# KiCad board RV523_CellTestBoard.final.kicad_pcb (continued)
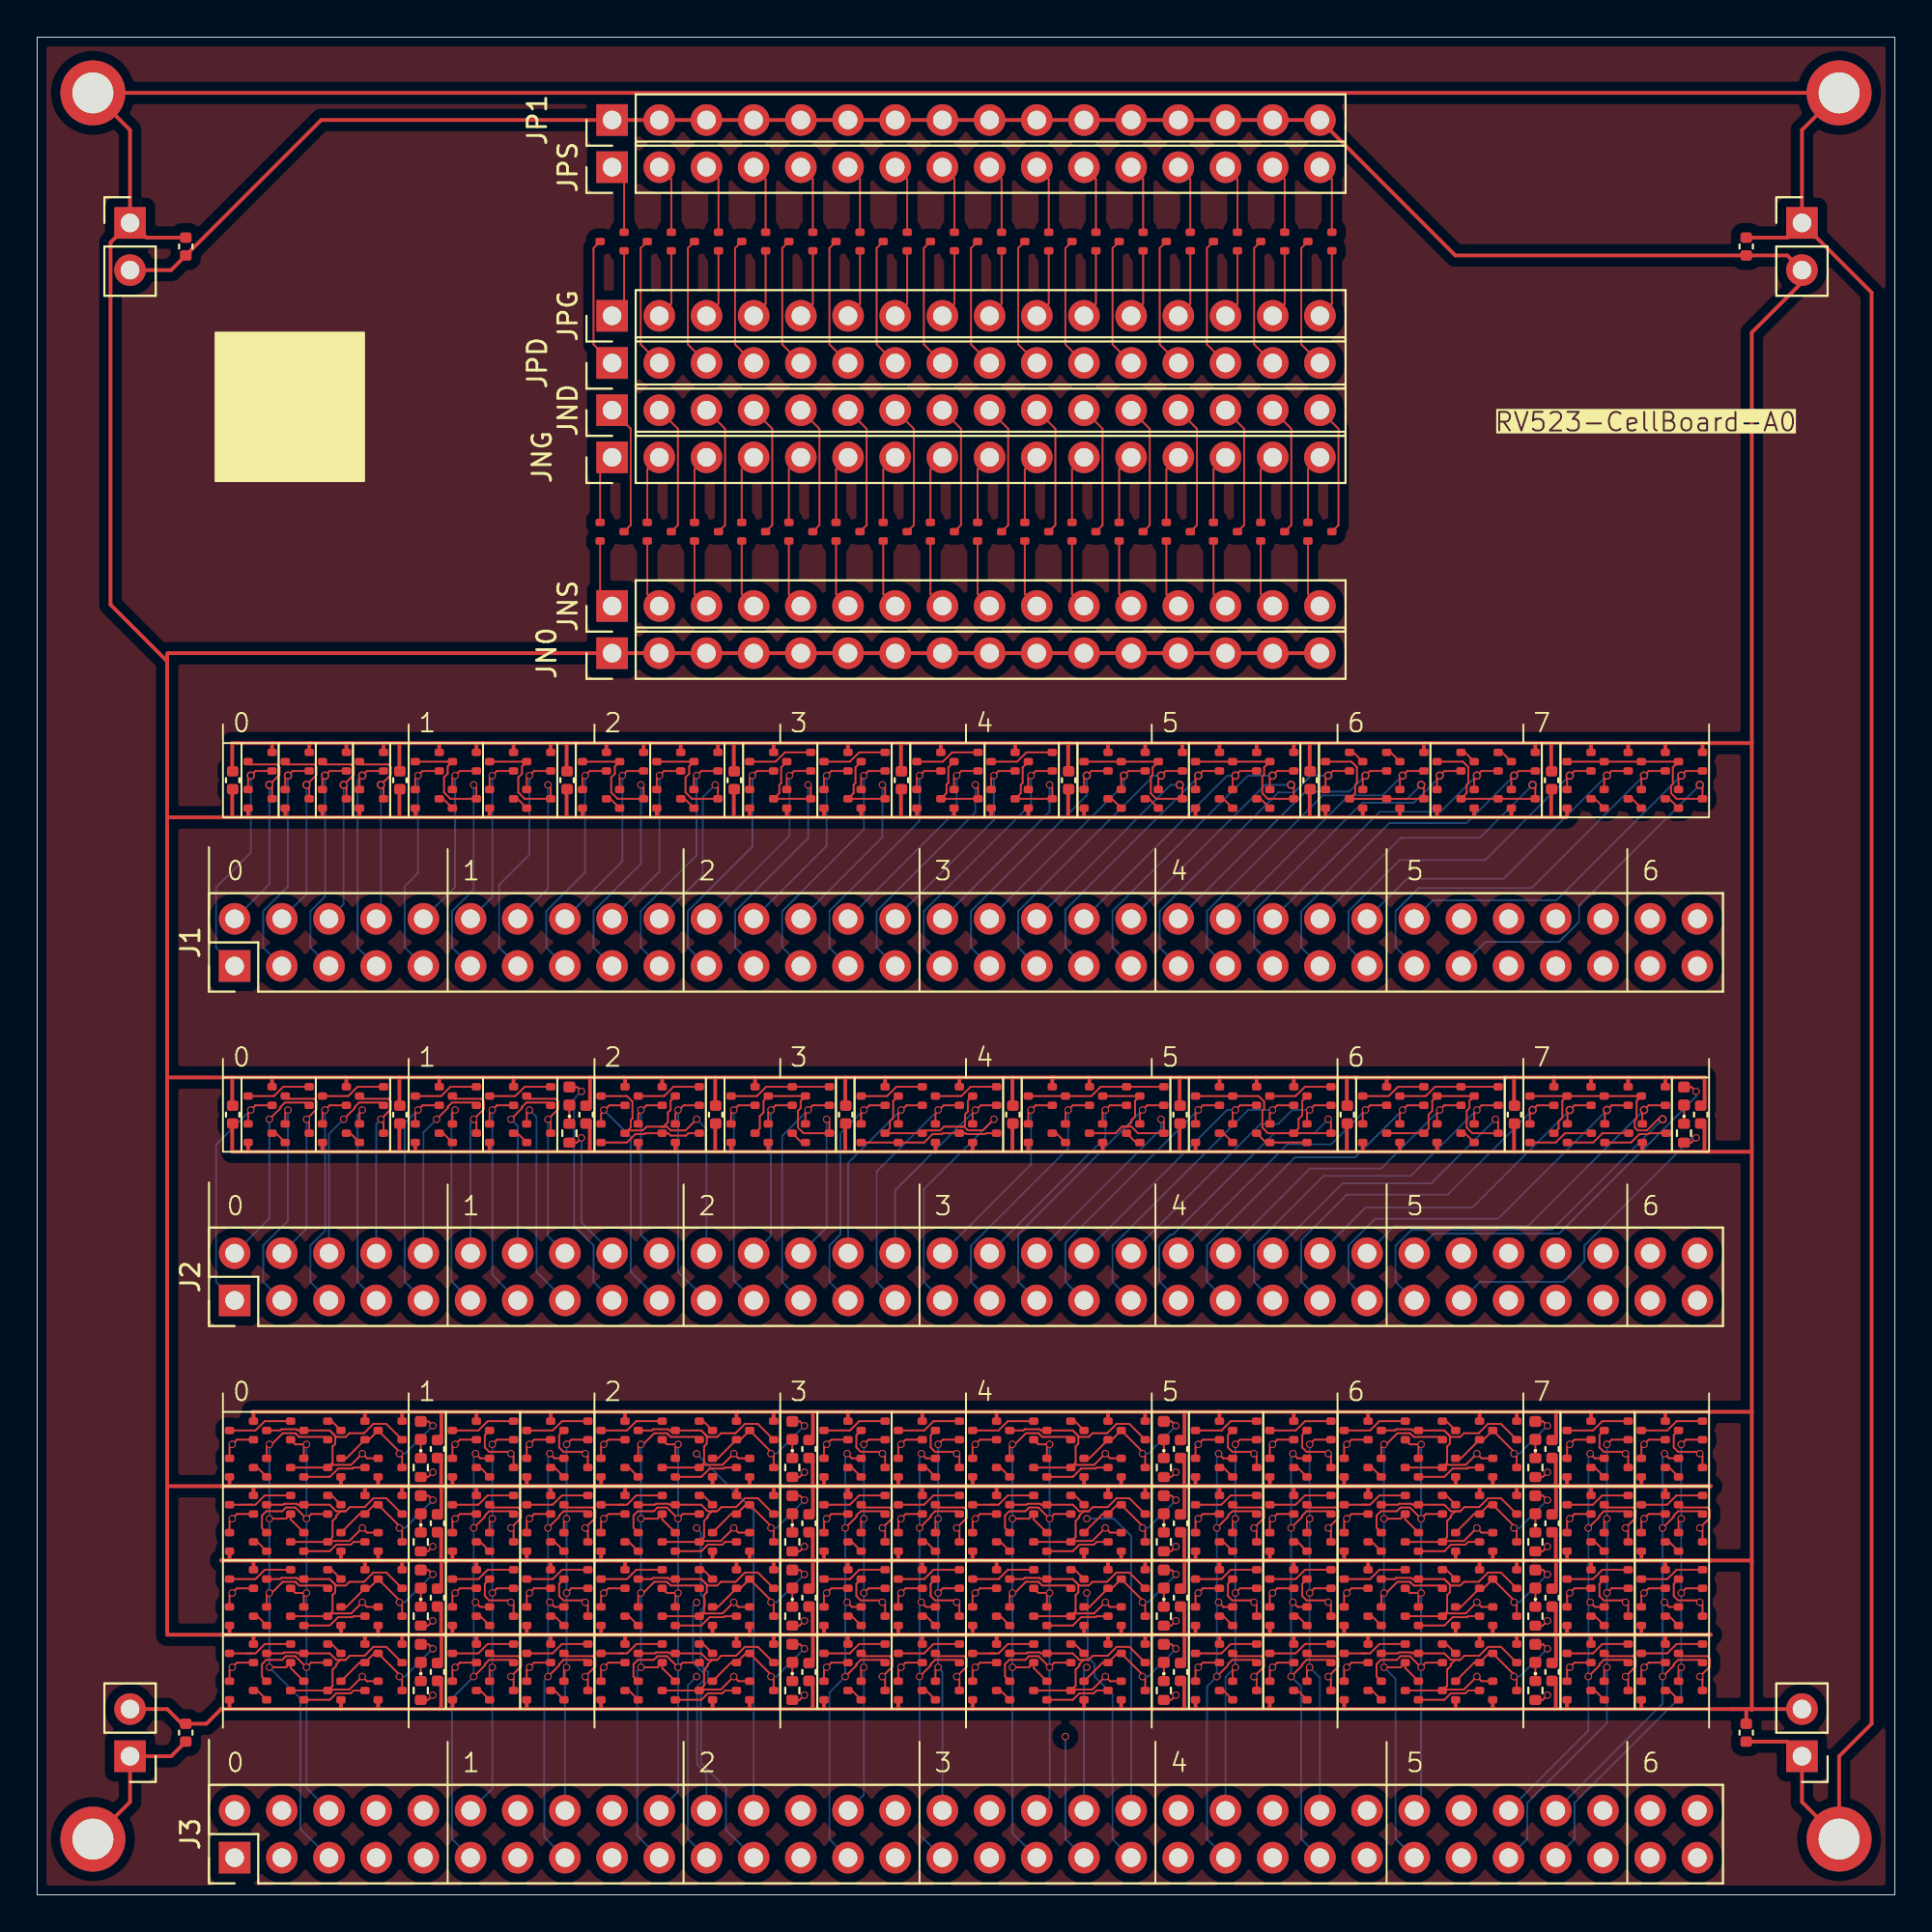
[diagram p0: board, top side]
## Nets (continued)
J3pins.3: genblk2[0].genblk1[2].L.NOT1.N1.1 genblk2[0].genblk1[2].L.NOT1.P1.1 genblk2[1].genblk1[2].L.NOT1.N1.1 genblk2[1].genblk1[2].L.NOT1.P1.1 genblk2[2].genblk1[2].L.NOT1.N1.1 genblk2[2].genblk1[2].L.NOT1.P1.1 genblk2[3].genblk1[2].L.NOT1.N1.1 genblk2[3].genblk1[2].L.NOT1.P1.1 J3.3
J3pins.4: genblk2[0].genblk1[3].L.NOT1.N1.1 genblk2[0].genblk1[3].L.NOT1.P1.1 genblk2[1].genblk1[3].L.NOT1.N1.1 genblk2[1].genblk1[3].L.NOT1.P1.1 genblk2[2].genblk1[3].L.NOT1.N1.1 genblk2[2].genblk1[3].L.NOT1.P1.1 genblk2[3].genblk1[3].L.NOT1.N1.1 genblk2[3].genblk1[3].L.NOT1.P1.1 J3.4
J3pins.5: genblk2[0].genblk1[0].L.NOT1.N2.1 genblk2[0].genblk1[0].L.NOT3.P2.1 genblk2[0].genblk1[1].L.NOT1.N2.1 genblk2[0].genblk1[1].L.NOT3.P2.1 genblk2[0].genblk1[2].L.NOT1.N2.1 genblk2[0].genblk1[2].L.NOT3.P2.1 genblk2[0].genblk1[3].L.NOT1.N2.1 genblk2[0].genblk1[3].L.NOT3.P2.1 J3.5
J3pins.6: genblk2[0].genblk1[0].L.NOT1.P2.1 genblk2[0].genblk1[0].L.NOT3.N2.1 genblk2[0].genblk1[1].L.NOT1.P2.1 genblk2[0].genblk1[1].L.NOT3.N2.1 genblk2[0].genblk1[2].L.NOT1.P2.1 genblk2[0].genblk1[2].L.NOT3.N2.1 genblk2[0].genblk1[3].L.NOT1.P2.1 genblk2[0].genblk1[3].L.NOT3.N2.1 J3.6
J3pins.7: J3.7
J3pins.8: J3.8
J3pins.9: J3.9
J3pins.10: J3.10
J3pins.11: genblk2[0].genblk1[0].R1.N2.1 genblk2[0].genblk1[1].R1.N2.1 genblk2[0].genblk1[2].R1.N2.1 genblk2[0].genblk1[3].R1.N2.1 J3.11
J3pins.12: genblk2[0].genblk1[0].R1.P2.1 genblk2[0].genblk1[1].R1.P2.1 genblk2[0].genblk1[2].R1.P2.1 genblk2[0].genblk1[3].R1.P2.1 J3.12
J3pins.13: J3.13
J3pins.14: J3.14
J3pins.15: genblk2[0].genblk1[0].R2.N2.1 genblk2[0].genblk1[1].R2.N2.1 genblk2[0].genblk1[2].R2.N2.1 genblk2[0].genblk1[3].R2.N2.1 J3.15
J3pins.16: genblk2[0].genblk1[0].R2.P2.1 genblk2[0].genblk1[1].R2.P2.1 genblk2[0].genblk1[2].R2.P2.1 genblk2[0].genblk1[3].R2.P2.1 J3.16
J3pins.17: J3.17
J3pins.18: J3.18
J3pins.19: genblk2[1].genblk1[0].L.NOT1.N2.1 genblk2[1].genblk1[0].L.NOT3.P2.1 genblk2[1].genblk1[1].L.NOT1.N2.1 genblk2[1].genblk1[1].L.NOT3.P2.1 genblk2[1].genblk1[2].L.NOT1.N2.1 genblk2[1].genblk1[2].L.NOT3.P2.1 genblk2[1].genblk1[3].L.NOT1.N2.1 genblk2[1].genblk1[3].L.NOT3.P2.1 J3.19
J3pins.20: genblk2[1].genblk1[0].L.NOT1.P2.1 genblk2[1].genblk1[0].L.NOT3.N2.1 genblk2[1].genblk1[1].L.NOT1.P2.1 genblk2[1].genblk1[1].L.NOT3.N2.1 genblk2[1].genblk1[2].L.NOT1.P2.1 genblk2[1].genblk1[2].L.NOT3.N2.1 genblk2[1].genblk1[3].L.NOT1.P2.1 genblk2[1].genblk1[3].L.NOT3.N2.1 J3.20
J3pins.25: J3.25
J3pins.26: J3.26
J3pins.27: genblk2[1].genblk1[0].R1.N2.1 genblk2[1].genblk1[1].R1.N2.1 genblk2[1].genblk1[2].R1.N2.1 genblk2[1].genblk1[3].R1.N2.1 J3.27
J3pins.28: genblk2[1].genblk1[0].R1.P2.1 genblk2[1].genblk1[1].R1.P2.1 genblk2[1].genblk1[2].R1.P2.1 genblk2[1].genblk1[3].R1.P2.1 J3.28
J3pins.29: J3.29
J3pins.30: J3.30
J3pins.31: genblk2[1].genblk1[0].R2.N2.1 genblk2[1].genblk1[1].R2.N2.1 genblk2[1].genblk1[2].R2.N2.1 genblk2[1].genblk1[3].R2.N2.1 J3.31
J3pins.32: genblk2[1].genblk1[0].R2.P2.1 genblk2[1].genblk1[1].R2.P2.1 genblk2[1].genblk1[2].R2.P2.1 genblk2[1].genblk1[3].R2.P2.1 J3.32
J3pins.33: J3.33
J3pins.34: J3.34
J3pins.35: genblk2[2].genblk1[0].L.NOT1.N2.1 genblk2[2].genblk1[0].L.NOT3.P2.1 genblk2[2].genblk1[1].L.NOT1.N2.1 genblk2[2].genblk1[1].L.NOT3.P2.1 genblk2[2].genblk1[2].L.NOT1.N2.1 genblk2[2].genblk1[2].L.NOT3.P2.1 genblk2[2].genblk1[3].L.NOT1.N2.1 genblk2[2].genblk1[3].L.NOT3.P2.1 J3.35
J3pins.36: genblk2[2].genblk1[0].L.NOT1.P2.1 genblk2[2].genblk1[0].L.NOT3.N2.1 genblk2[2].genblk1[1].L.NOT1.P2.1 genblk2[2].genblk1[1].L.NOT3.N2.1 genblk2[2].genblk1[2].L.NOT1.P2.1 genblk2[2].genblk1[2].L.NOT3.N2.1 genblk2[2].genblk1[3].L.NOT1.P2.1 genblk2[2].genblk1[3].L.NOT3.N2.1 J3.36
J3pins.41: J3.41
J3pins.42: J3.42
J3pins.43: genblk2[2].genblk1[0].R1.N2.1 genblk2[2].genblk1[1].R1.N2.1 genblk2[2].genblk1[2].R1.N2.1 genblk2[2].genblk1[3].R1.N2.1 J3.43
J3pins.44: genblk2[2].genblk1[0].R1.P2.1 genblk2[2].genblk1[1].R1.P2.1 genblk2[2].genblk1[2].R1.P2.1 genblk2[2].genblk1[3].R1.P2.1 J3.44
J3pins.45: J3.45
J3pins.46: J3.46
J3pins.47: genblk2[2].genblk1[0].R2.N2.1 genblk2[2].genblk1[1].R2.N2.1 genblk2[2].genblk1[2].R2.N2.1 genblk2[2].genblk1[3].R2.N2.1 J3.47
J3pins.48: genblk2[2].genblk1[0].R2.P2.1 genblk2[2].genblk1[1].R2.P2.1 genblk2[2].genblk1[2].R2.P2.1 genblk2[2].genblk1[3].R2.P2.1 J3.48
J3pins.49: J3.49
J3pins.50: J3.50
J3pins.51: genblk2[3].genblk1[0].L.NOT1.N2.1 genblk2[3].genblk1[0].L.NOT3.P2.1 genblk2[3].genblk1[1].L.NOT1.N2.1 genblk2[3].genblk1[1].L.NOT3.P2.1 genblk2[3].genblk1[2].L.NOT1.N2.1 genblk2[3].genblk1[2].L.NOT3.P2.1 genblk2[3].genblk1[3].L.NOT1.N2.1 genblk2[3].genblk1[3].L.NOT3.P2.1 J3.51
J3pins.52: genblk2[3].genblk1[0].L.NOT1.P2.1 genblk2[3].genblk1[0].L.NOT3.N2.1 genblk2[3].genblk1[1].L.NOT1.P2.1 genblk2[3].genblk1[1].L.NOT3.N2.1 genblk2[3].genblk1[2].L.NOT1.P2.1 genblk2[3].genblk1[2].L.NOT3.N2.1 genblk2[3].genblk1[3].L.NOT1.P2.1 genblk2[3].genblk1[3].L.NOT3.N2.1 J3.52
J3pins.53: J3.53
J3pins.54: J3.54
J3pins.55: genblk2[3].genblk1[0].R1.P2.1 genblk2[3].genblk1[1].R1.P2.1 genblk2[3].genblk1[2].R1.P2.1 genblk2[3].genblk1[3].R1.P2.1 J3.55
J3pins.56: genblk2[3].genblk1[0].R1.N2.1 genblk2[3].genblk1[1].R1.N2.1 genblk2[3].genblk1[2].R1.N2.1 genblk2[3].genblk1[3].R1.N2.1 J3.56
J3pins.57: genblk2[3].genblk1[0].R2.P2.1 genblk2[3].genblk1[1].R2.P2.1 genblk2[3].genblk1[2].R2.P2.1 genblk2[3].genblk1[3].R2.P2.1 J3.57
J3pins.58: genblk2[3].genblk1[0].R2.N2.1 genblk2[3].genblk1[1].R2.N2.1 genblk2[3].genblk1[2].R2.N2.1 genblk2[3].genblk1[3].R2.N2.1 J3.58
J3pins.59: J3.59
J3pins.60: J3.60
J3pins[21]: genblk2[0].genblk1[3].R1.N2.3 genblk2[0].genblk1[3].R1.P2.3 genblk2[1].genblk1[3].R1.N2.3 genblk2[1].genblk1[3].R1.P2.3 genblk2[2].genblk1[3].R1.N2.3 genblk2[2].genblk1[3].R1.P2.3 genblk2[3].genblk1[3].R1.N2.3 genblk2[3].genblk1[3].R1.P2.3 J3.21
J3pins[22]: genblk2[0].genblk1[2].R1.N2.3 genblk2[0].genblk1[2].R1.P2.3 genblk2[1].genblk1[2].R1.N2.3 genblk2[1].genblk1[2].R1.P2.3 genblk2[2].genblk1[2].R1.N2.3 genblk2[2].genblk1[2].R1.P2.3 genblk2[3].genblk1[2].R1.N2.3 genblk2[3].genblk1[2].R1.P2.3 J3.22
J3pins[23]: genblk2[0].genblk1[1].R1.N2.3 genblk2[0].genblk1[1].R1.P2.3 genblk2[1].genblk1[1].R1.N2.3 genblk2[1].genblk1[1].R1.P2.3 genblk2[2].genblk1[1].R1.N2.3 genblk2[2].genblk1[1].R1.P2.3 genblk2[3].genblk1[1].R1.N2.3 genblk2[3].genblk1[1].R1.P2.3 J3.23
J3pins[24]: genblk2[0].genblk1[0].R1.N2.3 genblk2[0].genblk1[0].R1.P2.3 genblk2[1].genblk1[0].R1.N2.3 genblk2[1].genblk1[0].R1.P2.3 genblk2[2].genblk1[0].R1.N2.3 genblk2[2].genblk1[0].R1.P2.3 genblk2[3].genblk1[0].R1.N2.3 genblk2[3].genblk1[0].R1.P2.3 J3.24
J3pins[37]: genblk2[0].genblk1[3].R2.N2.3 genblk2[0].genblk1[3].R2.P2.3 genblk2[1].genblk1[3].R2.N2.3 genblk2[1].genblk1[3].R2.P2.3 genblk2[2].genblk1[3].R2.N2.3 genblk2[2].genblk1[3].R2.P2.3 genblk2[3].genblk1[3].R2.N2.3 genblk2[3].genblk1[3].R2.P2.3 J3.37
J3pins[38]: genblk2[0].genblk1[2].R2.N2.3 genblk2[0].genblk1[2].R2.P2.3 genblk2[1].genblk1[2].R2.N2.3 genblk2[1].genblk1[2].R2.P2.3 genblk2[2].genblk1[2].R2.N2.3 genblk2[2].genblk1[2].R2.P2.3 genblk2[3].genblk1[2].R2.N2.3 genblk2[3].genblk1[2].R2.P2.3 J3.38
J3pins[39]: genblk2[0].genblk1[1].R2.N2.3 genblk2[0].genblk1[1].R2.P2.3 genblk2[1].genblk1[1].R2.N2.3 genblk2[1].genblk1[1].R2.P2.3 genblk2[2].genblk1[1].R2.N2.3 genblk2[2].genblk1[1].R2.P2.3 genblk2[3].genblk1[1].R2.N2.3 genblk2[3].genblk1[1].R2.P2.3 J3.39
J3pins[40]: genblk2[0].genblk1[0].R2.N2.3 genblk2[0].genblk1[0].R2.P2.3 genblk2[1].genblk1[0].R2.N2.3 genblk2[1].genblk1[0].R2.P2.3 genblk2[2].genblk1[0].R2.N2.3 genblk2[2].genblk1[0].R2.P2.3 genblk2[3].genblk1[0].R2.N2.3 genblk2[3].genblk1[0].R2.P2.3 J3.40
J3pins[61]: genblk2[0].genblk1[3].D.R.2 genblk2[1].genblk1[3].D.R.2 genblk2[2].genblk1[3].D.R.2 genblk2[3].genblk1[3].D.R.2 J3.61
J3pins[62]: genblk2[0].genblk1[2].D.R.2 genblk2[1].genblk1[2].D.R.2 genblk2[2].genblk1[2].D.R.2 genblk2[3].genblk1[2].D.R.2 J3.62
J3pins[63]: genblk2[0].genblk1[1].D.R.2 genblk2[1].genblk1[1].D.R.2 genblk2[2].genblk1[1].D.R.2 genblk2[3].genblk1[1].D.R.2 J3.63
J3pins[64]: genblk2[0].genblk1[0].D.R.2 genblk2[1].genblk1[0].D.R.2 genblk2[2].genblk1[0].D.R.2 genblk2[3].genblk1[0].D.R.2 J3.64
NAND2_1.int1: NAND2_1.N1.3 NAND2_1.N2.2
NAND2_2.int1: NAND2_2.N1.3 NAND2_2.N2.2
NAND2_3.int1: NAND2_3.N1.3 NAND2_3.N2.2
NAND2_4.int1: NAND2_4.N1.3 NAND2_4.N2.2
NAND3_1.int1: NAND3_1.N1.3 NAND3_1.N2.2
NAND3_1.int2: NAND3_1.N2.3 NAND3_1.N3.2
NAND3_2.int1: NAND3_2.N1.3 NAND3_2.N2.2
NAND3_2.int2: NAND3_2.N2.3 NAND3_2.N3.2
NAND4_1.int1: NAND4_1.N1.3 NAND4_1.N2.2
NAND4_1.int2: NAND4_1.N2.3 NAND4_1.N3.2
NAND4_1.int3: NAND4_1.N3.3 NAND4_1.N4.2
NDrains[1]: genblk1[1].N.3 JND.1
NDrains[2]: genblk1[2].N.3 JND.2
NDrains[3]: genblk1[3].N.3 JND.3
NDrains[4]: genblk1[4].N.3 JND.4
NDrains[5]: genblk1[5].N.3 JND.5
NDrains[6]: genblk1[6].N.3 JND.6
NDrains[7]: genblk1[7].N.3 JND.7
NDrains[8]: genblk1[8].N.3 JND.8
NDrains[9]: genblk1[9].N.3 JND.9
NDrains[10]: genblk1[10].N.3 JND.10
NDrains[11]: genblk1[11].N.3 JND.11
NDrains[12]: genblk1[12].N.3 JND.12
NDrains[13]: genblk1[13].N.3 JND.13
NDrains[14]: genblk1[14].N.3 JND.14
NDrains[15]: genblk1[15].N.3 JND.15
NDrains[16]: genblk1[16].N.3 JND.16
NGates[1]: genblk1[1].N.1 JNG.1
NGates[2]: genblk1[2].N.1 JNG.2
NGates[3]: genblk1[3].N.1 JNG.3
NGates[4]: genblk1[4].N.1 JNG.4
NGates[5]: genblk1[5].N.1 JNG.5
NGates[6]: genblk1[6].N.1 JNG.6
NGates[7]: genblk1[7].N.1 JNG.7
NGates[8]: genblk1[8].N.1 JNG.8
NGates[9]: genblk1[9].N.1 JNG.9
NGates[10]: genblk1[10].N.1 JNG.10
NGates[11]: genblk1[11].N.1 JNG.11
NGates[12]: genblk1[12].N.1 JNG.12
NGates[13]: genblk1[13].N.1 JNG.13
NGates[14]: genblk1[14].N.1 JNG.14
NGates[15]: genblk1[15].N.1 JNG.15
NGates[16]: genblk1[16].N.1 JNG.16
NOR2_1.C: NOR2_1.P1.3 NOR2_1.P2.2
NOR2_2.C: NOR2_2.P1.3 NOR2_2.P2.2
NOR2_3.C: NOR2_3.P1.3 NOR2_3.P2.2
NOR2_4.C: NOR2_4.P1.3 NOR2_4.P2.2
NOR3_1.int1: NOR3_1.P1.2 NOR3_1.P2.3
NOR3_1.int2: NOR3_1.P2.2 NOR3_1.P3.3
NOR3_2.int1: NOR3_2.P1.2 NOR3_2.P2.3
NOR3_2.int2: NOR3_2.P2.2 NOR3_2.P3.3
NOR4_1.int1: NOR4_1.P1.2 NOR4_1.P2.3
NOR4_1.int2: NOR4_1.P2.2 NOR4_1.P3.3
NOR4_1.int3: NOR4_1.P3.2 NOR4_1.P4.3
NSources[1]: genblk1[1].N.2 JNS.1
NSources[2]: genblk1[2].N.2 JNS.2
NSources[3]: genblk1[3].N.2 JNS.3
NSources[4]: genblk1[4].N.2 JNS.4
NSources[5]: genblk1[5].N.2 JNS.5
NSources[6]: genblk1[6].N.2 JNS.6
NSources[7]: genblk1[7].N.2 JNS.7
NSources[8]: genblk1[8].N.2 JNS.8
NSources[9]: genblk1[9].N.2 JNS.9
NSources[10]: genblk1[10].N.2 JNS.10
NSources[11]: genblk1[11].N.2 JNS.11
NSources[12]: genblk1[12].N.2 JNS.12
NSources[13]: genblk1[13].N.2 JNS.13
NSources[14]: genblk1[14].N.2 JNS.14
NSources[15]: genblk1[15].N.2 JNS.15
NSources[16]: genblk1[16].N.2 JNS.16
OAI21_1.intB: OAI21_1.P2.3 OAI21_1.P3.2
OAI21_1.intN: OAI21_1.N1.3 OAI21_1.N2.2 OAI21_1.N3.2
OAI22_1.intA: OAI22_1.P1.3 OAI22_1.P2.2
OAI22_1.intB: OAI22_1.P3.3 OAI22_1.P4.2
OAI22_1.intN: OAI22_1.N1.3 OAI22_1.N2.3 OAI22_1.N3.2 OAI22_1.N4.2
OAI211_1.intC: OAI211_1.P3.3 OAI211_1.P4.2
OAI211_1.intNA: OAI211_1.N1.3 OAI211_1.N2.2
OAI211_1.intNB: OAI211_1.N2.3 OAI211_1.N3.2 OAI211_1.N4.2
PDrains[1]: genblk1[1].P.3 JPD.1
PDrains[2]: genblk1[2].P.3 JPD.2
PDrains[3]: genblk1[3].P.3 JPD.3
PDrains[4]: genblk1[4].P.3 JPD.4
PDrains[5]: genblk1[5].P.3 JPD.5
PDrains[6]: genblk1[6].P.3 JPD.6
PDrains[7]: genblk1[7].P.3 JPD.7
PDrains[8]: genblk1[8].P.3 JPD.8
PDrains[9]: genblk1[9].P.3 JPD.9
PDrains[10]: genblk1[10].P.3 JPD.10
PDrains[11]: genblk1[11].P.3 JPD.11
PDrains[12]: genblk1[12].P.3 JPD.12
PDrains[13]: genblk1[13].P.3 JPD.13
PDrains[14]: genblk1[14].P.3 JPD.14
PDrains[15]: genblk1[15].P.3 JPD.15
PDrains[16]: genblk1[16].P.3 JPD.16
PGates[1]: genblk1[1].P.1 JPG.1
PGates[2]: genblk1[2].P.1 JPG.2
PGates[3]: genblk1[3].P.1 JPG.3
PGates[4]: genblk1[4].P.1 JPG.4
PGates[5]: genblk1[5].P.1 JPG.5
PGates[6]: genblk1[6].P.1 JPG.6
PGates[7]: genblk1[7].P.1 JPG.7
PGates[8]: genblk1[8].P.1 JPG.8
PGates[9]: genblk1[9].P.1 JPG.9
PGates[10]: genblk1[10].P.1 JPG.10
PGates[11]: genblk1[11].P.1 JPG.11
PGates[12]: genblk1[12].P.1 JPG.12
PGates[13]: genblk1[13].P.1 JPG.13
PGates[14]: genblk1[14].P.1 JPG.14
PGates[15]: genblk1[15].P.1 JPG.15
PGates[16]: genblk1[16].P.1 JPG.16
PSources[1]: genblk1[1].P.2 JPS.1
PSources[2]: genblk1[2].P.2 JPS.2
PSources[3]: genblk1[3].P.2 JPS.3
PSources[4]: genblk1[4].P.2 JPS.4
PSources[5]: genblk1[5].P.2 JPS.5
PSources[6]: genblk1[6].P.2 JPS.6
PSources[7]: genblk1[7].P.2 JPS.7
PSources[8]: genblk1[8].P.2 JPS.8
PSources[9]: genblk1[9].P.2 JPS.9
PSources[10]: genblk1[10].P.2 JPS.10
PSources[11]: genblk1[11].P.2 JPS.11
PSources[12]: genblk1[12].P.2 JPS.12
PSources[13]: genblk1[13].P.2 JPS.13
PSources[14]: genblk1[14].P.2 JPS.14
PSources[15]: genblk1[15].P.2 JPS.15
PSources[16]: genblk1[16].P.2 JPS.16
TINV_1.intN: TINV_1.N1.3 TINV_1.N2.2
TINV_1.intP: TINV_1.P1.3 TINV_1.P2.2
TINV_2.intN: TINV_2.N1.3 TINV_2.N2.2
TINV_2.intP: TINV_2.P1.3 TINV_2.P2.2
TINV_3.intN: TINV_3.N1.3 TINV_3.N2.2
TINV_3.intP: TINV_3.P1.3 TINV_3.P2.2
TINV_4.intN: TINV_4.N1.3 TINV_4.N2.2
TINV_4.intP: TINV_4.P1.3 TINV_4.P2.2

## Via types
v1: diameter 0.45, hole 0.3, Top to Bottom, 34 vias
v2: diameter 0.4, hole 0.3, Top to Bottom, 320 vias

## Routing (per net, layer and track width the routed paths; a pad name or vN(x,y) marks a point on that pad's centre or on a via; arc(x,y) is an arc through that point)
GND: length 970.7
  Top w0.2: genblk2[1].genblk1[2].L.NOT3.N1.2 36.35,14.05 36.4,14 ; NOR2_2.N1.2 42.35,58.05 42.3,58 ; DECAP_LED_12.DECAP.C.2 29.76,42.69 29.76,44 ; NOR2_1.N1.2 38.35,58.05 38.3,58 ; 51.75,14 57.7,14 ; 51.75,14 51.74,14 ; 51.75,14 51.6,14 ; 57.7,14 58.34,14 ; 57.7,14 57.65,13.94 genblk2[2].genblk1[3].L.NOT3.N1.2 ; 12.64,43.6 12.64,43.95 12.6,44 ; DECAP_LED_19.DECAP.C.2 89.76,42.69 89.76,44 87.6,44 ; 19.5,42.48 19.5,44 ; 19.5,44 16.6,44 ; 19.5,44 21.6,44 ; NOR4_1.N3.2 85.64,43.94 85.71,44 ; 31.6,22 31.75,22 ; 31.6,22 31.64,21.95 genblk2[1].genblk1[1].L.NOT1.N1.2 ; 31.6,22 29.9,22 30.3,22 ; 31.75,22 31.75,22 ; 31.75,22 37.7,22 ; 23.6,22 26.1,22 22.3,22 ; 23.6,22 21.9,22 22.3,22 ; 23.6,22 23.64,21.95 23.64,21.6 ; 11.6,22 11.75,22 ; 11.6,22 9.9,22 10.3,22 ; 11.6,22 11.64,21.95 genblk2[0].genblk1[1].L.NOT1.N1.2 ; 11.75,22 11.74,22 ; 11.75,22 17.7,22 ; 47.6,22 45.9,22 46.3,22 ; 47.6,22 47.65,21.95 47.65,21.6 ; 47.6,22 50.1,22 46.3,22 ; 47.6,14 50.1,14 46.3,14 ; 47.6,14 45.9,14 46.3,14 ; 47.6,14 47.65,13.95 47.65,13.6 ; genblk2[2].genblk1[0].L.NOT2.N1.2 58.35,22.05 58.4,22 ; 19.6,22 20.1,22 18.4,22 ; 19.6,22 19.64,21.95 genblk2[0].genblk1[1].L.NOT2.N1.2 ; 19.6,22 18.34,22 ; genblk2[2].genblk1[3].L.NOT2.N1.2 59.65,13.95 59.6,14 ; 79.9,14 80.5,14 ; 80.5,14 81.76,14 ; 80.5,14 81.65,14 ; genblk2[3].genblk1[3].D.DECAP.C.2 81.76,12.69 81.76,14 ; 11.34,58 13.34,58 ; 11.34,58 10.5,58 ; 11.34,58 11.36,58.02 NOT_1.N1.2 ; 13.34,58 13.36,58.02 NOT_2.N1.2 ; 13.34,58 15.34,58 ; genblk2[3].genblk1[2].L.NOT1.N1.2 70.36,14.06 70.3,14 ; 44.3,58 44.35,58.05 44.35,58.4 ; 44.3,58 46.5,58 ; 44.3,58 42.3,58 ; 42.3,14 46.1,14 43.6,14 ; 42.3,14 41.9,14 43.6,14 ; 42.3,14 42.35,14.06 genblk2[1].genblk1[2].R1.N1.2 ; genblk2[1].genblk1[0].D.DECAP.C.1 41.75,23.32 41.75,22.1 41.65,22 ; 22.3,14 22.36,14.06 genblk2[0].genblk1[2].R1.N1.2 ; 22.3,14 21.9,14 23.6,14 ; 22.3,14 26.1,14 23.6,14 ; 37.5,58 38.3,58 ; 37.5,58 37.5,59.52 ; 37.5,58 33.3,58 ; 38.3,58 40.3,58 ; 26.3,22 25.9,22 27.6,22 ; 26.3,22 30.1,22 27.6,22 ; 26.3,22 26.36,22.06 genblk2[0].genblk1[0].R2.N1.2 ; genblk2[3].genblk1[0].R2.N1.2 86.36,22.06 86.3,22 ; 46.5,58 46.5,59.52 ; 46.5,58 47.3,58 ; genblk2[2].genblk1[2].D.DECAP.C.1 61.75,15.32 61.75,14.1 61.65,14 ; NAND3_1.N1.2 56.35,58.01 56.37,58 ; 77.4,58 77.36,58.05 77.36,58.4 ; 77.4,58 79.4,58 ; 77.4,58 75.3,58 ; 16.64,43.6 16.64,43.95 16.6,44 ; 83.6,44 85.71,44 ; 83.6,44 81.64,44 ; 83.6,44 83.64,43.95 NOR4_1.N2.2 ; 85.71,44 87.6,44 ; 38.34,14 39.6,14 ; 38.34,14 37.7,14 ; 38.34,14 38.34,14 ; 39.6,14 40.1,14 38.4,14 ; 39.6,14 39.65,13.95 genblk2[1].genblk1[3].L.NOT2.N1.2 ; 27.6,14 30.1,14 26.3,14 ; 27.6,14 27.64,13.95 27.64,13.6 ; 27.6,14 25.9,14 26.3,14 ; 76.4,22 76.36,22.05 genblk2[3].genblk1[0].L.NOT3.N1.2 ; 76.4,22 70.3,22 ; 76.4,22 78.4,22 ; genblk2[2].genblk1[3].L.NOT1.N1.2 51.65,13.95 51.6,14 ; 63.6,22 66.1,22 62.3,22 ; 63.6,22 61.9,22 62.3,22 ; 63.6,22 63.65,21.95 63.65,21.6 ; genblk2[3].genblk1[1].L.NOT3.N1.2 77.64,21.94 77.7,22 ; 80.5,22 81.65,22 ; 80.5,22 79.9,22 ; 80.5,22 81.76,22 ; 81.65,22 82.1,22 81.76,22 ; 81.65,22 81.75,22.1 81.75,23.32 genblk2[3].genblk1[0].D.DECAP.C.1 ; 7,22 7,14 10,14 ; 7,22 10,22 ; 7,22 7,44 ; 67.64,13.6 67.64,13.95 67.6,14 ; 46.3,14 46.35,14.06 genblk2[1].genblk1[2].R2.N1.2 ; 66.3,14 65.9,14 67.6,14 ; 66.3,14 70.1,14 67.6,14 ; 66.3,14 66.36,14.06 genblk2[2].genblk1[2].R2.N1.2 ; genblk2[3].genblk1[3].L.NOT2.N1.2 79.64,13.95 79.6,14 ; 43.5,42.48 43.5,44 ; 43.5,44 45.64,44 ; 43.5,44 38.6,44 ; 67.6,22 70.1,22 66.3,22 ; 67.6,22 67.64,21.95 67.64,21.6 ; 67.6,22 65.9,22 66.3,22 ; 70.3,22 69.9,22 71.6,22 ; 70.3,22 70.36,22.06 genblk2[3].genblk1[0].L.NOT1.N1.2 ; 19.9,22 20.5,22 ; 20.5,22 21.65,22 ; 20.5,22 21.76,22 ; 38.34,22 38.34,22 ; 38.34,22 37.7,22 ; 38.34,22 39.6,22 ; 38.4,22 38.35,22.05 genblk2[1].genblk1[0].L.NOT2.N1.2 ; 38.4,22 36.4,22 ; 38.4,22 40.1,22 39.6,22 ; 36.4,14 38.4,14 ; 36.4,14 30.3,14 ; 38.4,14 38.35,14.05 genblk2[1].genblk1[2].L.NOT2.N1.2 ; 51.3,58 53.3,58 ; 51.3,58 51.35,58.05 NOR2_4.N1.2 ; 51.3,58 49.3,58 ; 53.3,58 55.5,58 ; 53.3,58 53.35,58.05 53.35,58.4 ; 66.3,22 66.36,22.06 genblk2[2].genblk1[0].R2.N1.2 ; 43.6,14 43.65,13.95 43.65,13.6 ; 21.6,44 25.6,44 ; 21.6,44 21.64,43.95 21.64,43.6 ; 25.6,44 29.76,44 ; 25.6,44 25.64,43.95 25.64,43.6 ; NOR3_2.N3.2 79.36,58.05 79.4,58 ; 70.3,14 69.9,14 71.6,14 ; 70.3,14 76.4,14 ; 86.3,14 86.36,14.06 genblk2[3].genblk1[2].R2.N1.2 ; 86.3,14 85.9,14 87.6,14 ; 86.3,14 90.1,14 87.6,14 ; genblk2[2].genblk1[1].L.NOT1.N1.2 51.65,21.95 51.6,22 ; 21.65,22 22.1,22 21.76,22 ; 21.65,22 21.75,22.1 21.75,23.32 genblk2[0].genblk1[0].D.DECAP.C.1 ; 31.6,14 29.9,14 30.3,14 ; 31.6,14 31.75,14 ; 31.6,14 31.64,13.95 genblk2[1].genblk1[3].L.NOT1.N1.2 ; JSupply1.1 5.1,90 5.89,89.21 DECAP1.2 ; JSupply1.1 3.95,88.95 3.95,69.45 7,66.4 ; JSupply1.1 5,95 REF**#3.1 REF**.1 95,95 JSupply2.1 ; 81.65,14 82.1,14 81.76,14 ; 81.65,14 81.75,14.1 81.75,15.32 genblk2[3].genblk1[2].D.DECAP.C.1 ; NOT_3.N1.2 15.36,58.02 15.34,58 ; OAI211_1.N1.2 72.64,43.94 72.7,43.99 ; 21.76,22 21.76,20.69 genblk2[0].genblk1[1].D.DECAP.C.2 ; genblk2[0].genblk1[3].L.NOT3.N1.2 17.64,13.94 17.7,14 ; 56.4,14 58.4,14 ; 56.4,14 50.3,14 ; 56.4,14 56.35,14.05 genblk2[2].genblk1[2].L.NOT3.N1.2 ; 58.4,14 60.1,14 59.6,14 ; 58.4,14 58.35,14.05 genblk2[2].genblk1[2].L.NOT2.N1.2 ; 61.76,22 62.1,22 61.65,22 ; 61.76,22 61.76,20.69 genblk2[2].genblk1[1].D.DECAP.C.2 ; 61.76,22 60.5,22 ; 69.3,58 71.4,58 ; 69.3,58 69.36,58.05 NOR3_1.N1.2 ; 69.3,58 68.5,58 ; 71.4,58 71.36,58.05 71.36,58.4 ; 71.4,58 73.4,58 ; genblk2[2].genblk1[2].L.NOT1.N1.2 50.35,14.06 50.3,14 ; 61.65,14 62.1,14 61.76,14 ; 61.65,14 60.5,14 ; 77.7,22 78.34,22 ; 77.7,22 71.75,22 ; 78.34,22 79.6,22 ; 78.34,22 78.34,22 ; 30.3,22 30.36,22.06 genblk2[1].genblk1[0].L.NOT1.N1.2 ; 30.3,22 36.4,22 ; 67.6,44 67.64,43.95 AOI211_1.N3.2 ; 67.6,44 70.5,44 ; 67.6,44 65.62,44 ; 52.5,42.48 52.5,44 ; 52.5,44 54.6,44 ; 52.5,44 49.62,44 ; 37.7,22 37.65,21.94 genblk2[1].genblk1[1].L.NOT3.N1.2 ; 51.6,14 49.9,14 50.3,14 ; genblk2[1].genblk1[2].L.NOT1.N1.2 30.36,14.06 30.3,14 ; 54.6,44 54.65,43.95 OAI22_1.N1.2 ; 54.6,44 54.75,44 ; 70.5,44 70.5,42.48 ; 70.5,44 71.1,44 ; 62.3,22 62.35,22.06 genblk2[2].genblk1[0].R1.N1.2 ; 7,66.4 7,58 ; 7,66.4 7,66.8 7.04,66.84 JN0.1 JN0.16 ; 7,58 10.5,58 ; 7,58 7,44 ; 7,44 10.5,44 ; 10.5,44 12.6,44 ; 10.5,44 10.5,42.48 ; 59.6,14 58.34,14 ; 62.37,58 68.5,58 ; 62.37,58 56.37,58 ; 62.37,58 62.35,58.01 NAND3_2.N1.2 ; 68.5,58 68.5,59.52 ; 43.65,21.6 43.65,21.95 43.6,22 ; 55.5,58 56.37,58 ; 55.5,58 55.5,59.52 ; 16.6,44 12.6,44 ; 79.6,22 79.64,21.95 genblk2[3].genblk1[1].L.NOT2.N1.2 ; 79.6,22 80.1,22 78.4,22 ; 83.6,14 83.64,13.95 83.64,13.6 ; 83.6,14 81.9,14 82.3,14 ; 83.6,14 86.1,14 82.3,14 ; 22.3,22 22.36,22.06 genblk2[0].genblk1[0].R1.N1.2 ; 78.34,14 79.6,14 ; 78.34,14 77.7,14 ; 78.34,14 78.34,14 ; 79.6,14 80.1,14 78.4,14 ; 82.3,22 86.1,22 83.6,22 ; 82.3,22 81.9,22 83.6,22 ; 82.3,22 82.36,22.06 genblk2[3].genblk1[0].R1.N1.2 ; 42.3,22 46.1,22 43.6,22 ; 42.3,22 42.35,22.06 genblk2[1].genblk1[0].R1.N1.2 ; 42.3,22 41.9,22 43.6,22 ; 77.7,14 77.64,13.94 genblk2[3].genblk1[3].L.NOT3.N1.2 ; 77.7,14 71.75,14 ; 33.3,58 33.35,58.05 NAND2_4.N1.2 ; 33.3,58 29.3,58 ; 81.5,59.52 81.5,58 ; 81.5,58 82.3,58 82.36,58.05 NAND4_1.N1.2 ; 81.5,58 79.4,58 ; 41.65,22 40.5,22 ; 41.65,22 42.1,22 41.76,22 ; 28.5,59.52 28.5,58 ; 28.5,58 29.3,58 ; 28.5,58 24.3,58 ; 19.5,59.52 19.5,58 ; 19.5,58 17.34,58 ; 19.5,58 20.3,58 ; 42.3,58 40.3,58 ; 49.62,44 49.65,43.98 AOI22_1.N3.2 ; 49.62,44 45.64,44 ; genblk2[3].genblk1[0].L.NOT2.N1.2 78.36,22.05 78.4,22 ; 54.75,44 56.6,44 ; 54.75,44 54.74,43.99 ; 56.6,44 61.5,44 ; 56.6,44 56.65,43.95 56.65,43.6 ; 40.5,14 41.65,14 ; 40.5,14 41.76,14 ; 40.5,14 39.9,14 ; 41.65,14 42.1,14 41.76,14 ; 41.65,14 41.75,14.1 41.75,15.32 genblk2[1].genblk1[2].D.DECAP.C.1 ; 58.34,14 58.34,14 ; 29.3,58 29.36,58.05 NAND2_3.N1.2 ; 65.62,44 65.64,43.98 AOI211_1.N2.2 ; 65.62,44 63.65,44 ; 21.76,14 21.76,12.69 genblk2[0].genblk1[3].D.DECAP.C.2 ; 21.76,14 20.5,14 ; 21.76,14 22.1,14 21.65,14 ; DECAP2.2 94.21,89.21 JSupply2.1 ; 58.4,22 56.4,22 ; 58.4,22 60.1,22 59.6,22 ; 61.76,14 61.76,12.69 genblk2[2].genblk1[3].D.DECAP.C.2 ; 61.76,14 60.5,14 ; NOT_4.N1.2 17.36,58.02 17.34,58 ; 71.75,14 71.75,14 ; 71.75,14 71.6,14 ; 86.3,22 85.9,22 87.6,22 ; 86.3,22 90.1,22 87.6,22 ; 63.6,14 61.9,14 62.3,14 ; 63.6,14 66.1,14 62.3,14 ; 63.6,14 63.65,13.95 63.65,13.6 ; 46.3,22 46.35,22.06 genblk2[1].genblk1[0].R2.N1.2 ; AOI211_1.N1.2 63.65,43.99 63.65,44 ; 17.7,22 17.64,21.94 genblk2[0].genblk1[1].L.NOT3.N1.2 ; 17.7,22 18.34,22 ; 78.4,14 78.36,14.05 genblk2[3].genblk1[2].L.NOT2.N1.2 ; 78.4,14 76.4,14 ; 23.6,14 23.64,13.95 23.64,13.6 ; genblk2[0].genblk1[0].L.NOT3.N1.2 16.36,22.05 16.4,22 ; 24.3,58 24.36,58.05 NAND2_2.N1.2 ; 24.3,58 20.3,58 ; 81.64,44 79.5,44 ; 81.64,44 81.64,43.99 NOR4_1.N1.2 ; NOR3_2.N1.2 75.36,58.05 75.3,58 ; 87.6,22 87.64,21.95 87.64,21.6 ; 10.5,58 10.5,59.52 ; 41.76,14 41.76,12.69 genblk2[1].genblk1[3].D.DECAP.C.2 ; genblk2[0].genblk1[2].D.DECAP.C.1 21.75,15.32 21.75,14.1 21.65,14 ; 60.5,14 59.9,14 ; genblk2[0].genblk1[0].L.NOT2.N1.2 18.36,22.05 18.4,22 ; 39.9,22 40.5,22 ; 40.5,22 41.76,22 ; 56.4,22 56.35,22.05 genblk2[2].genblk1[0].L.NOT3.N1.2 ; 56.4,22 50.3,22 ; 15.34,58 17.34,58 ; 41.76,22 41.76,20.69 genblk2[1].genblk1[1].D.DECAP.C.2 ; genblk2[2].genblk1[1].L.NOT2.N1.2 59.65,21.95 59.6,22 ; 87.6,14 87.64,13.95 87.64,13.6 ; 20.3,58 20.36,58.05 NAND2_1.N1.2 ; 73.4,58 75.3,58 ; 73.4,58 73.36,58.05 NOR3_1.N3.2 ; 61.5,44 61.5,42.48 ; 61.5,44 63.65,44 ; JSupply2.1 98.75,86.25 98.75,9.21 97,7.46 REF**#4.1 95,5 JSupply4.1 94.21,8.25 DECAP4.2 ; AOI21_1.N1.2 31.64,43.95 31.59,44 ; genblk2[0].genblk1[2].L.NOT1.N1.2 10.36,14.06 10.3,14 ; genblk2[0].genblk1[2].L.NOT3.N1.2 16.36,14.05 16.4,14 ; 76.4,14 76.36,14.05 genblk2[3].genblk1[2].L.NOT3.N1.2 ; 83.6,22 83.64,21.95 83.64,21.6 ; 40.3,58 40.35,58.05 40.35,58.4 ; 19.6,14 19.64,13.95 genblk2[0].genblk1[3].L.NOT2.N1.2 ; 19.6,14 18.34,14 ; 19.6,14 20.1,14 18.4,14 ; 82.3,14 82.36,14.06 genblk2[3].genblk1[2].R1.N1.2 ; 58.34,22 58.34,22 ; 58.34,22 57.7,22 ; 58.34,22 59.6,22 ; 10.3,14 16.4,14 ; 10.3,14 9.9,14 11.6,14 ; 16.4,14 18.4,14 ; 50.3,22 50.35,22.06 genblk2[2].genblk1[0].L.NOT1.N1.2 ; 50.3,22 49.9,22 51.6,22 ; 18.4,22 16.4,22 ; 62.3,14 62.35,14.06 genblk2[2].genblk1[2].R1.N1.2 ; 27.6,22 27.64,21.95 27.64,21.6 ; 79.5,44 78.9,44 ; 79.5,44 79.5,42.48 ; 51.6,22 51.75,22 ; 51.75,22 57.7,22 ; 51.75,22 51.74,22 ; 72.7,43.99 79.1,43.99 ; 72.7,43.99 70.9,43.99 ; 29.76,44 31.59,44 ; 31.75,14 31.75,14 ; 31.75,14 37.7,14 ; 47.3,58 47.35,58.05 NOR2_3.N1.2 ; 47.3,58 49.3,58 ; genblk2[3].genblk1[3].L.NOT1.N1.2 71.64,13.95 71.6,14 ; 39.6,22 39.65,21.95 genblk2[1].genblk1[1].L.NOT2.N1.2 ; 37.7,14 37.65,13.94 genblk2[1].genblk1[3].L.NOT3.N1.2 ; 87.6,44 87.64,43.95 NOR4_1.N4.2 ; 16.4,22 10.3,22 ; 33.6,44 33.65,43.95 AOI21_1.N2.2 ; 33.6,44 36.5,44 ; 33.6,44 31.59,44 ; genblk2[2].genblk1[1].L.NOT3.N1.2 57.65,21.94 57.7,22 ; 36.4,22 36.35,22.05 genblk2[1].genblk1[0].L.NOT3.N1.2 ; genblk2[0].genblk1[0].L.NOT1.N1.2 10.36,22.06 10.3,22 ; 11.75,14 17.7,14 ; 11.75,14 11.6,14 ; 11.75,14 11.74,14 ; 17.7,14 18.34,14 ; 18.34,22 18.34,22 ; 11.6,14 11.64,13.95 genblk2[0].genblk1[3].L.NOT1.N1.2 ; 71.75,22 71.75,22 ; 71.75,22 71.6,22 ; 26.3,14 26.36,14.06 genblk2[0].genblk1[2].R2.N1.2 ; 19.9,14 20.5,14 ; 20.5,14 21.65,14 ; 71.6,22 71.64,21.95 genblk2[3].genblk1[1].L.NOT1.N1.2 ; 18.4,14 18.36,14.05 genblk2[0].genblk1[2].L.NOT2.N1.2 ; 81.76,22 81.76,20.69 genblk2[3].genblk1[1].D.DECAP.C.2 ; 18.34,14 18.34,14 ; DECAP3.2 7.21,7.46 JSupply3.1 5,5 REF**#2.1 ; 36.5,44 38.6,44 ; 36.5,44 36.5,42.48 ; 49.3,58 49.35,58.05 49.35,58.4 ; 38.6,44 38.65,43.95 38.65,43.6 ; 45.64,44 45.65,43.99 AOI22_1.N1.2 ; 60.5,22 59.9,22 ; 60.5,22 61.65,22 ; 61.65,22 61.75,22.1 61.75,23.32 genblk2[2].genblk1[0].D.DECAP.C.1
